# Altium PCB PCB_3U_SMA.PCBDOC (part 1 of 2)
Units mil, origin at the board's own origin, x right, y up, seen from the top; angles counter-clockwise.
Board outline 2535.43 x 3937 mil, 4 copper layers (Top, MP(G), L3, Bot), stack 63.153 mil thick; 154 components, 103 nets, 620 pads, 360 vias.
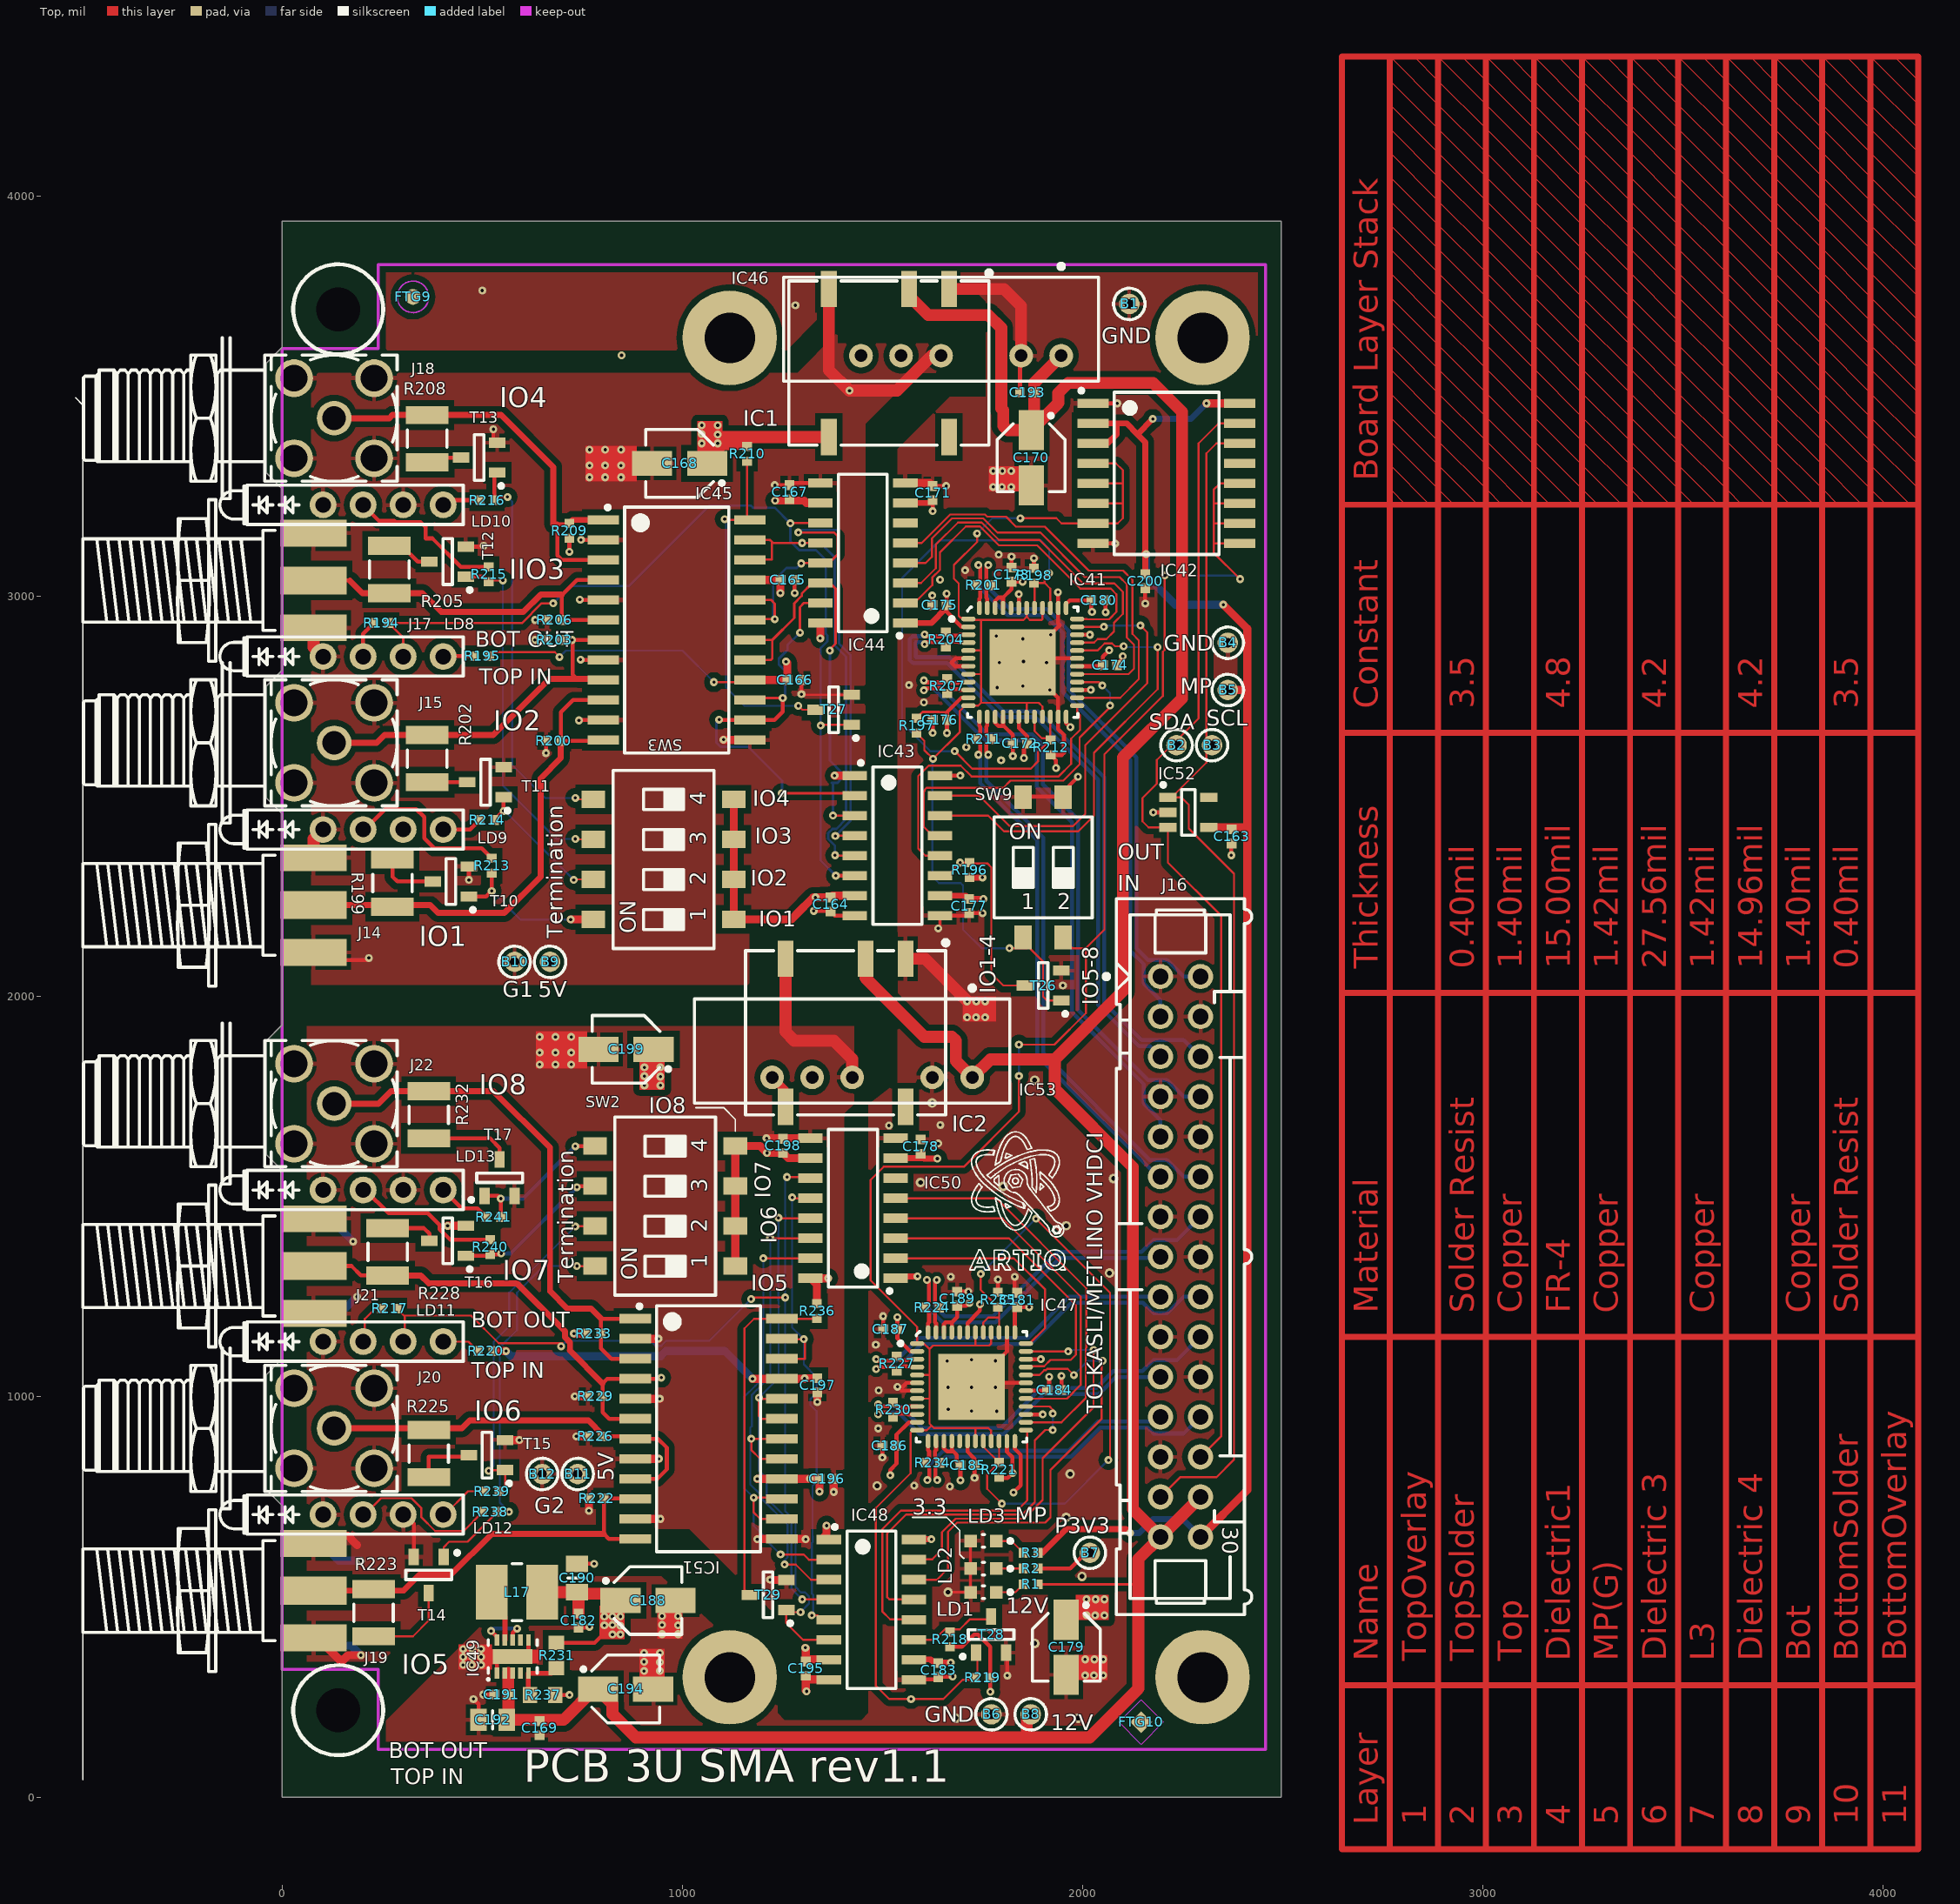
[diagram p0: Top view]
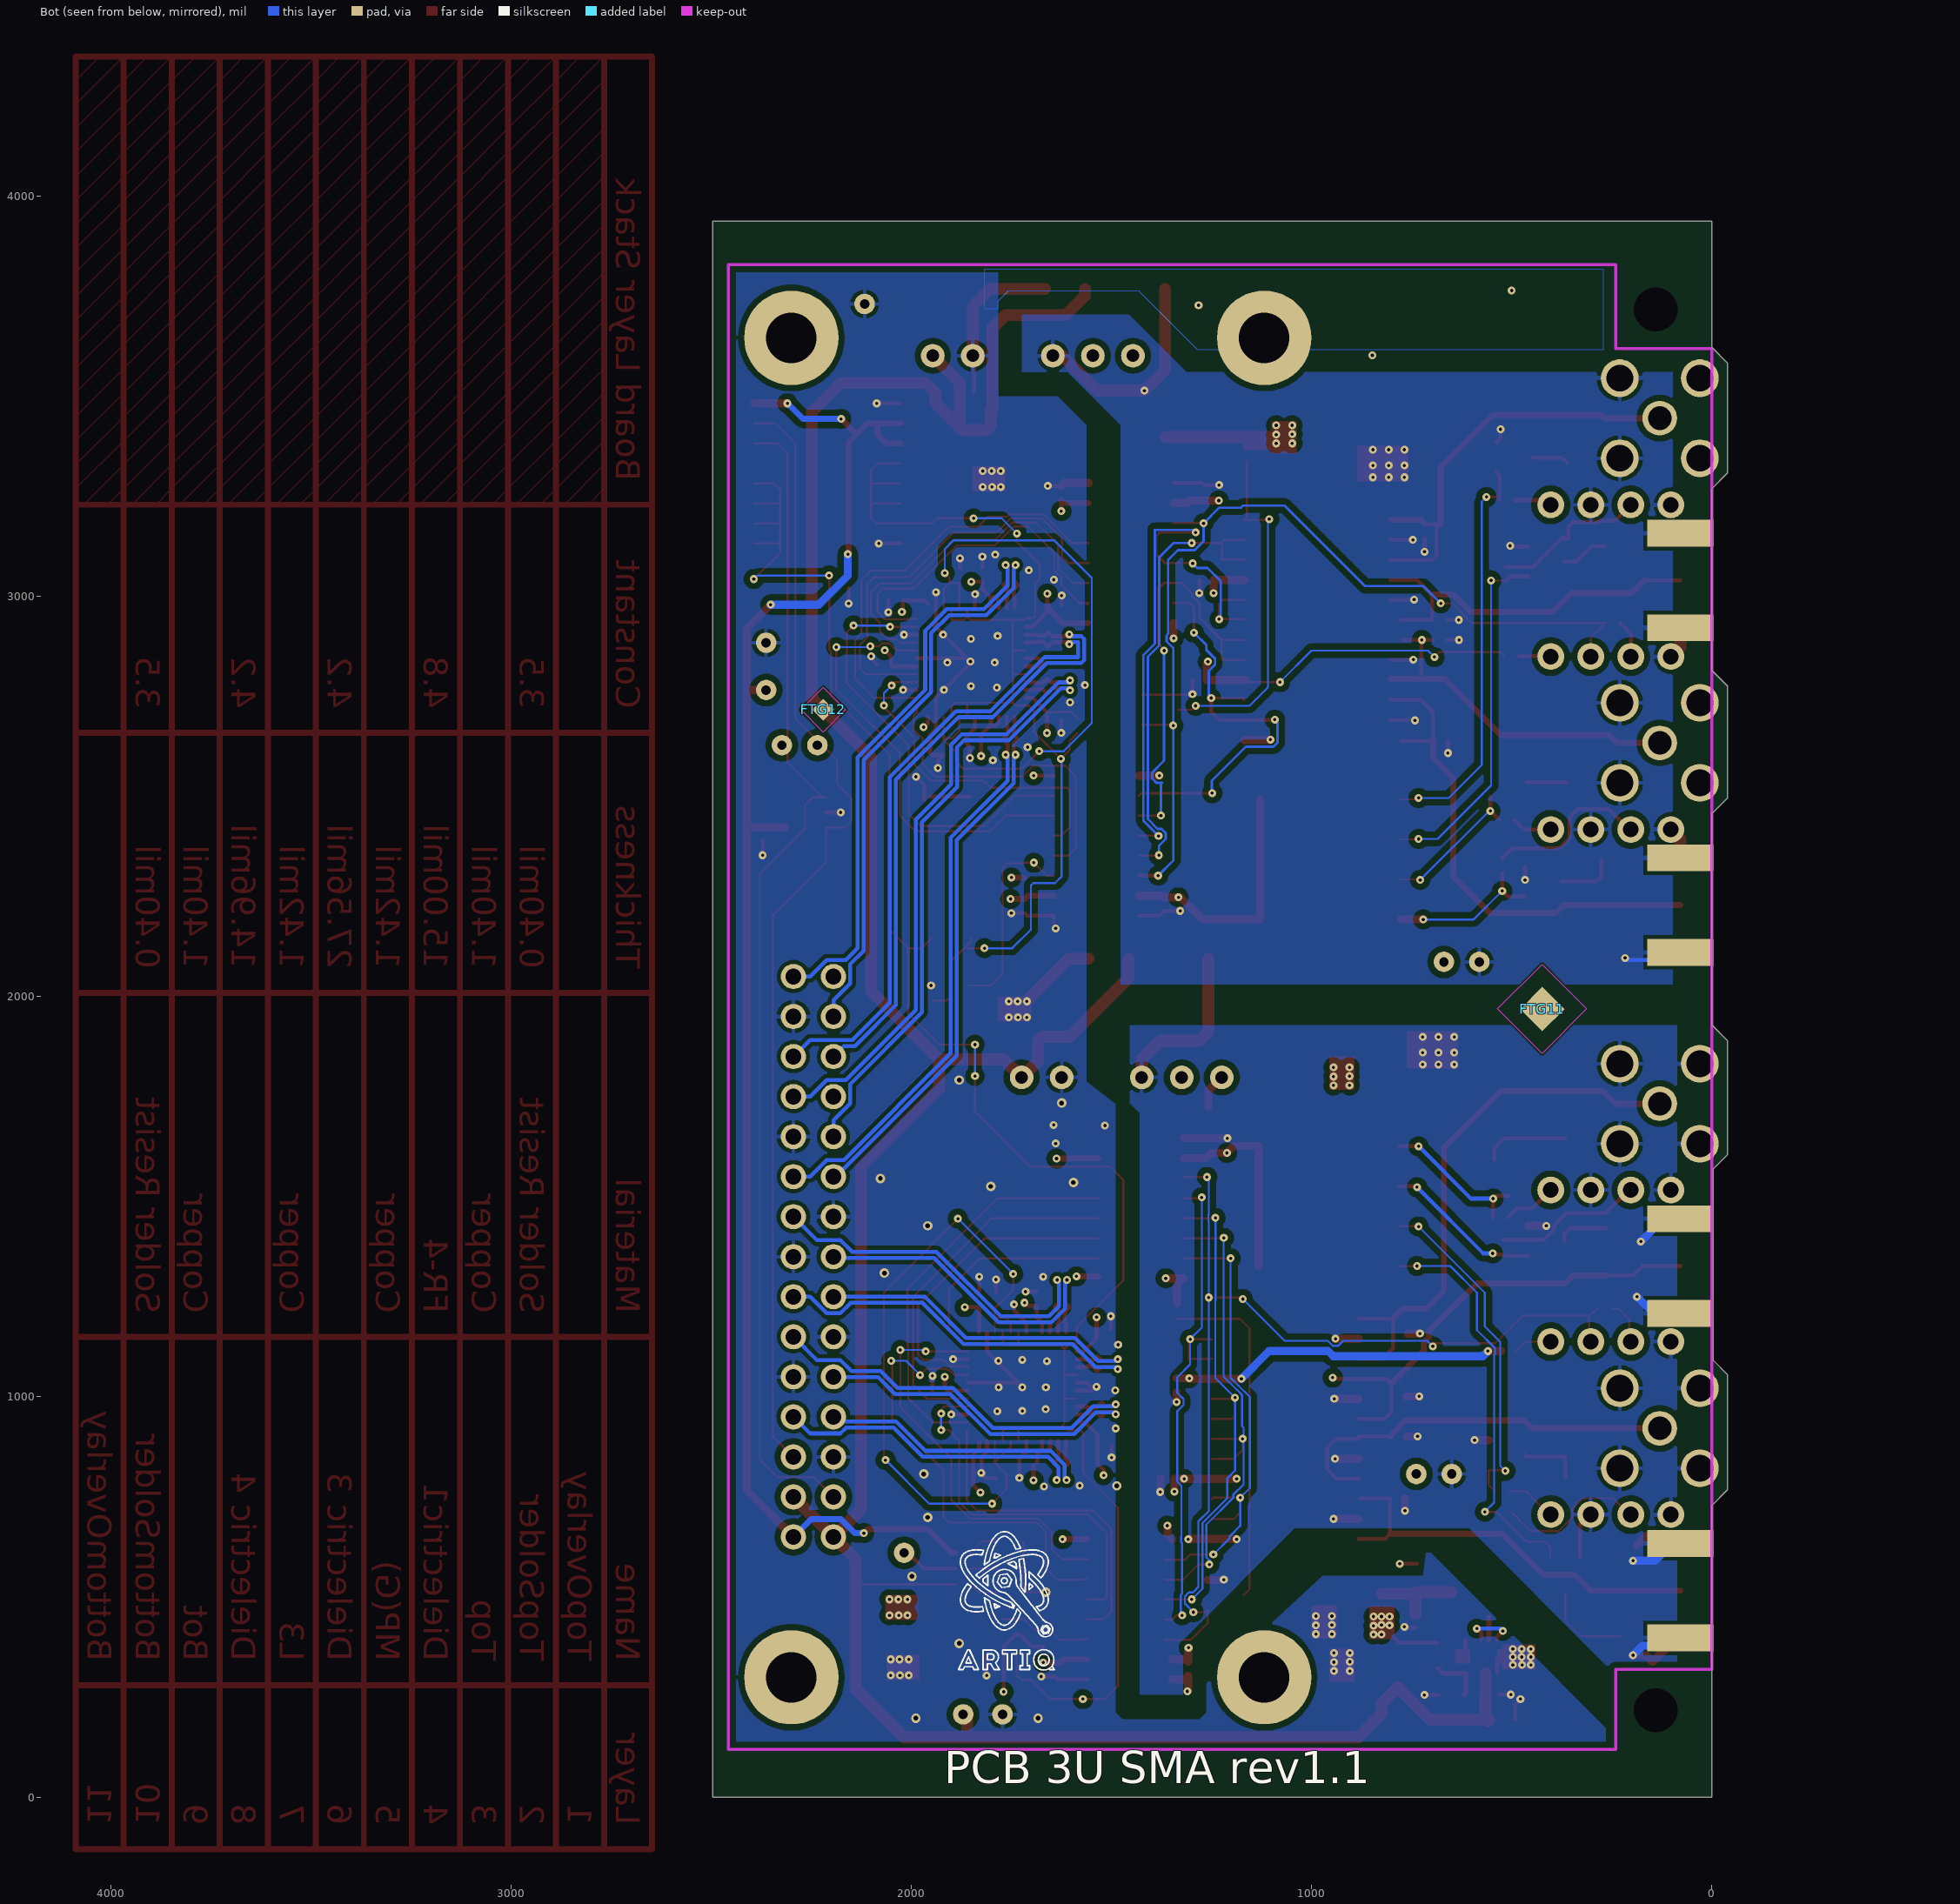
[diagram p1: Bot view, seen from below]
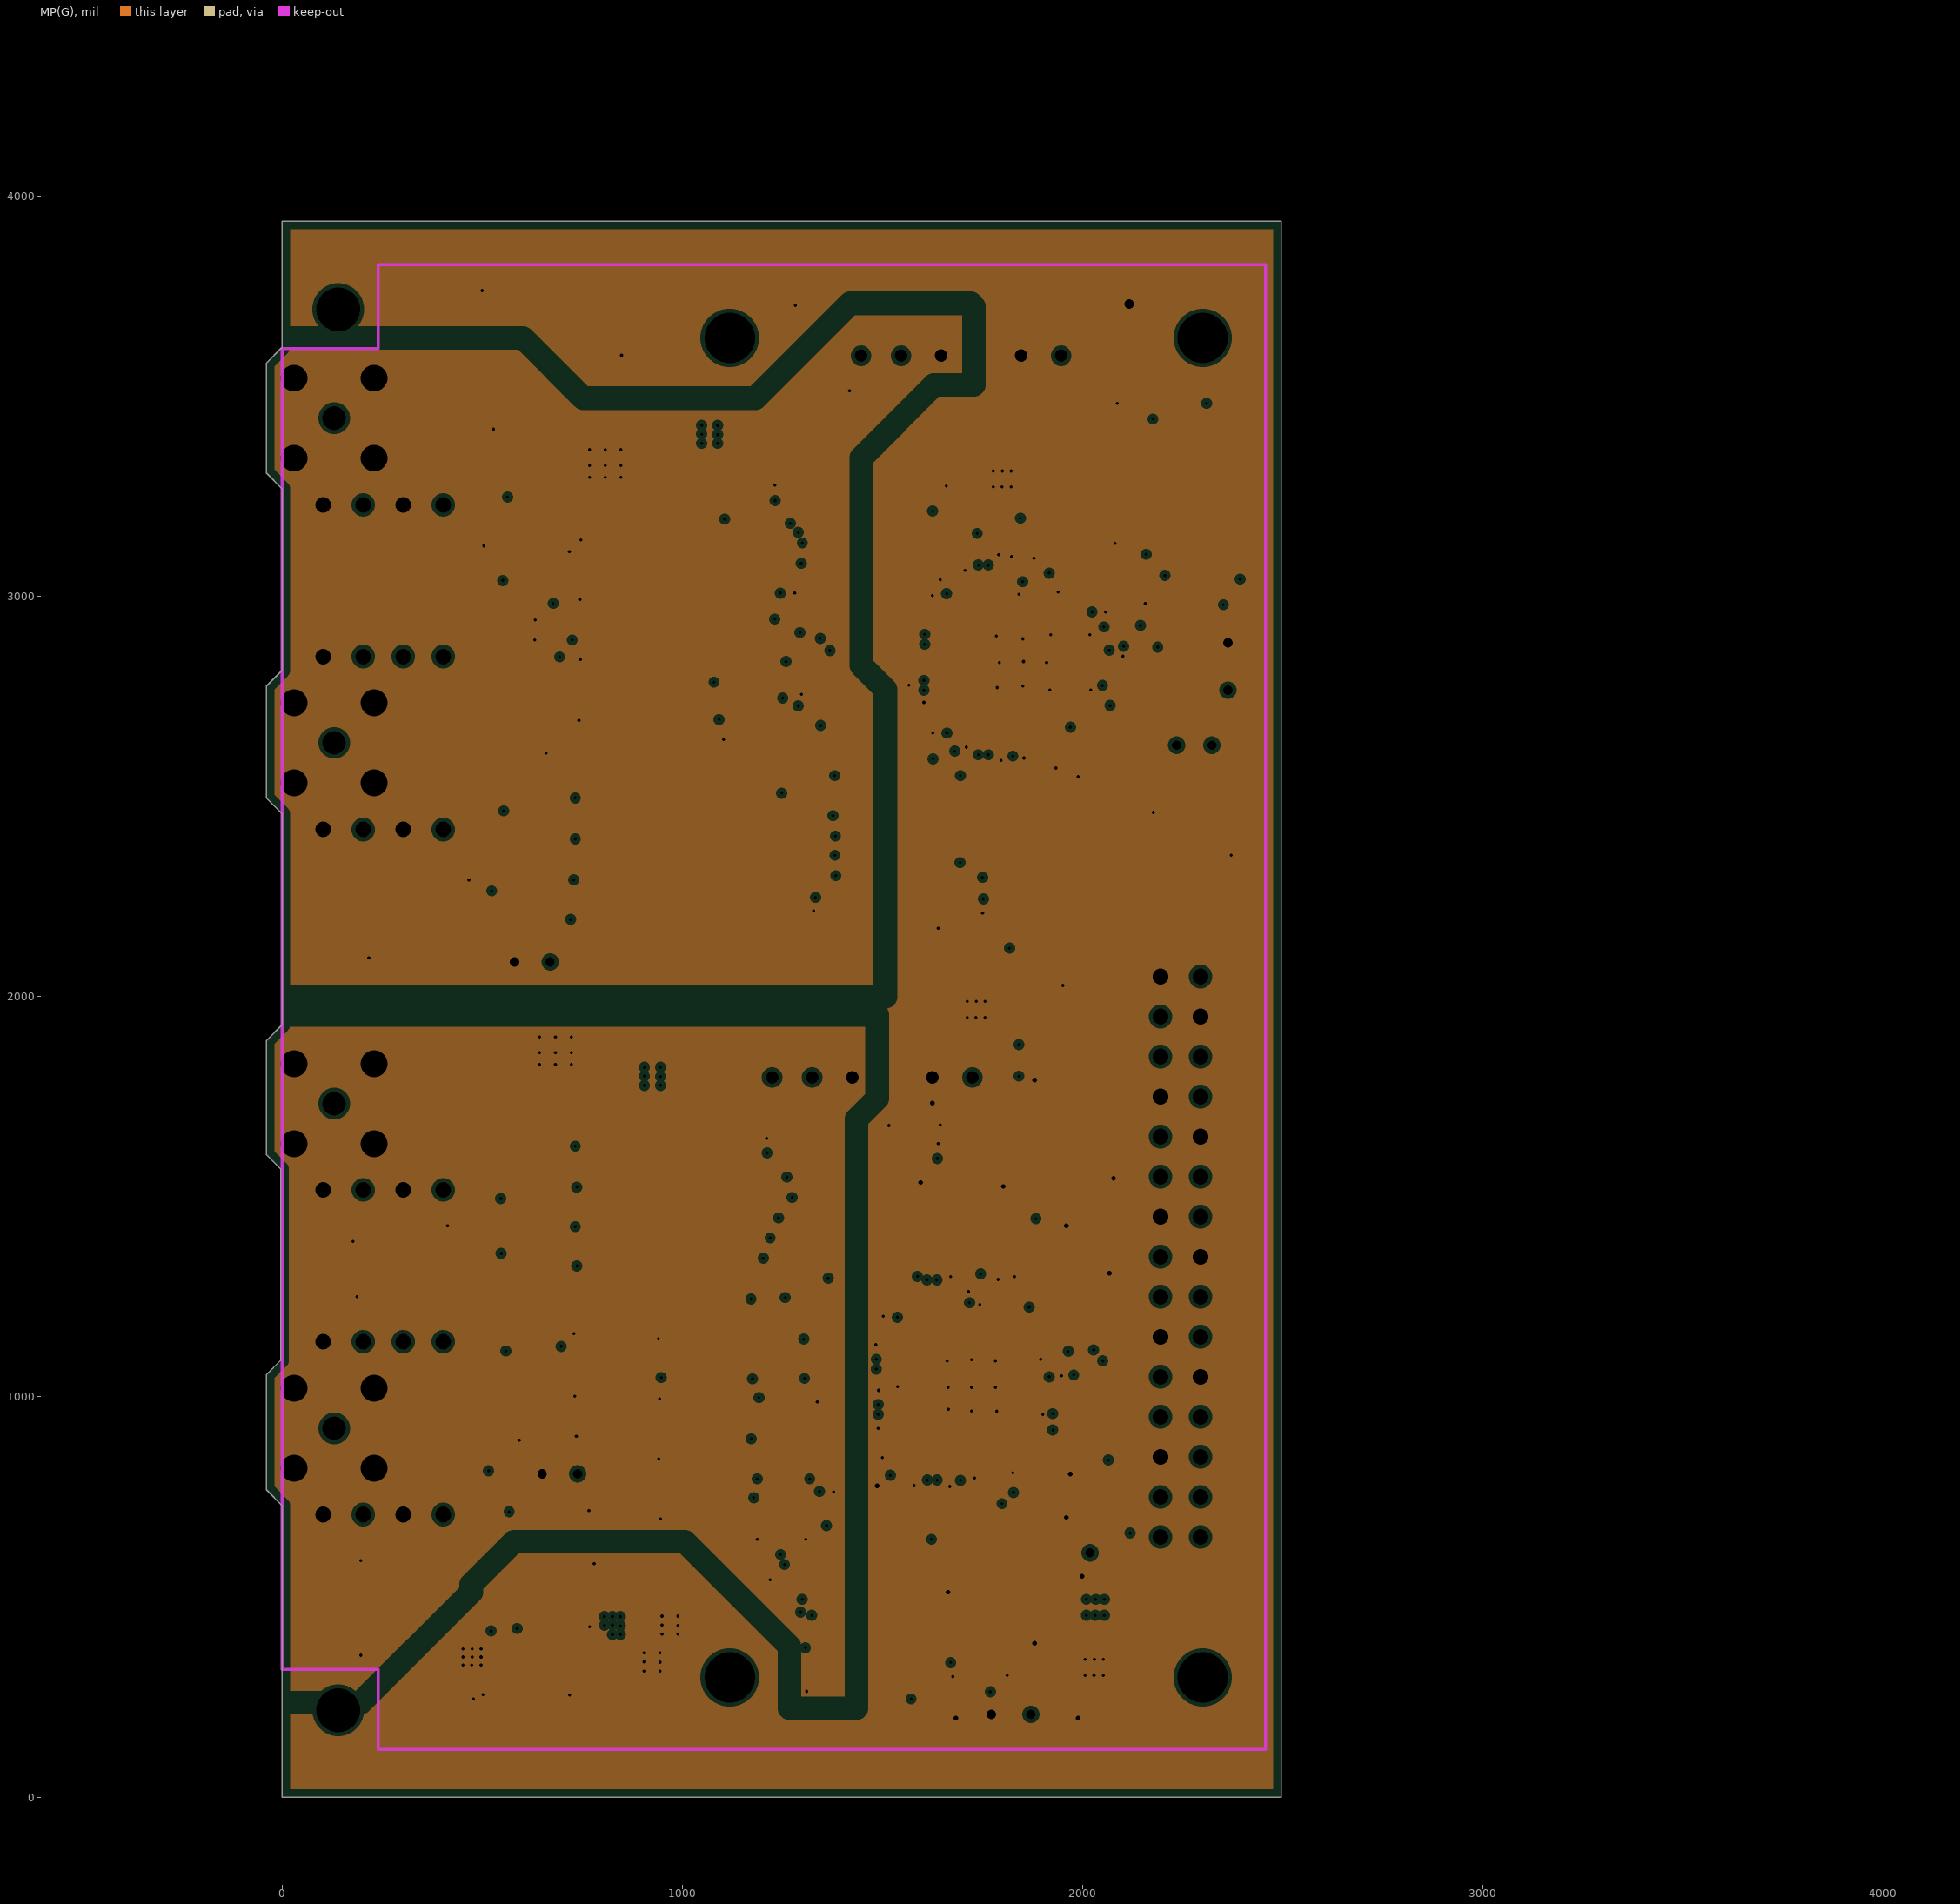
[diagram p2: MP(G), clearances drawn from the general rule]